# Allegro board NewTMR-March-2-2026.brd (continued)
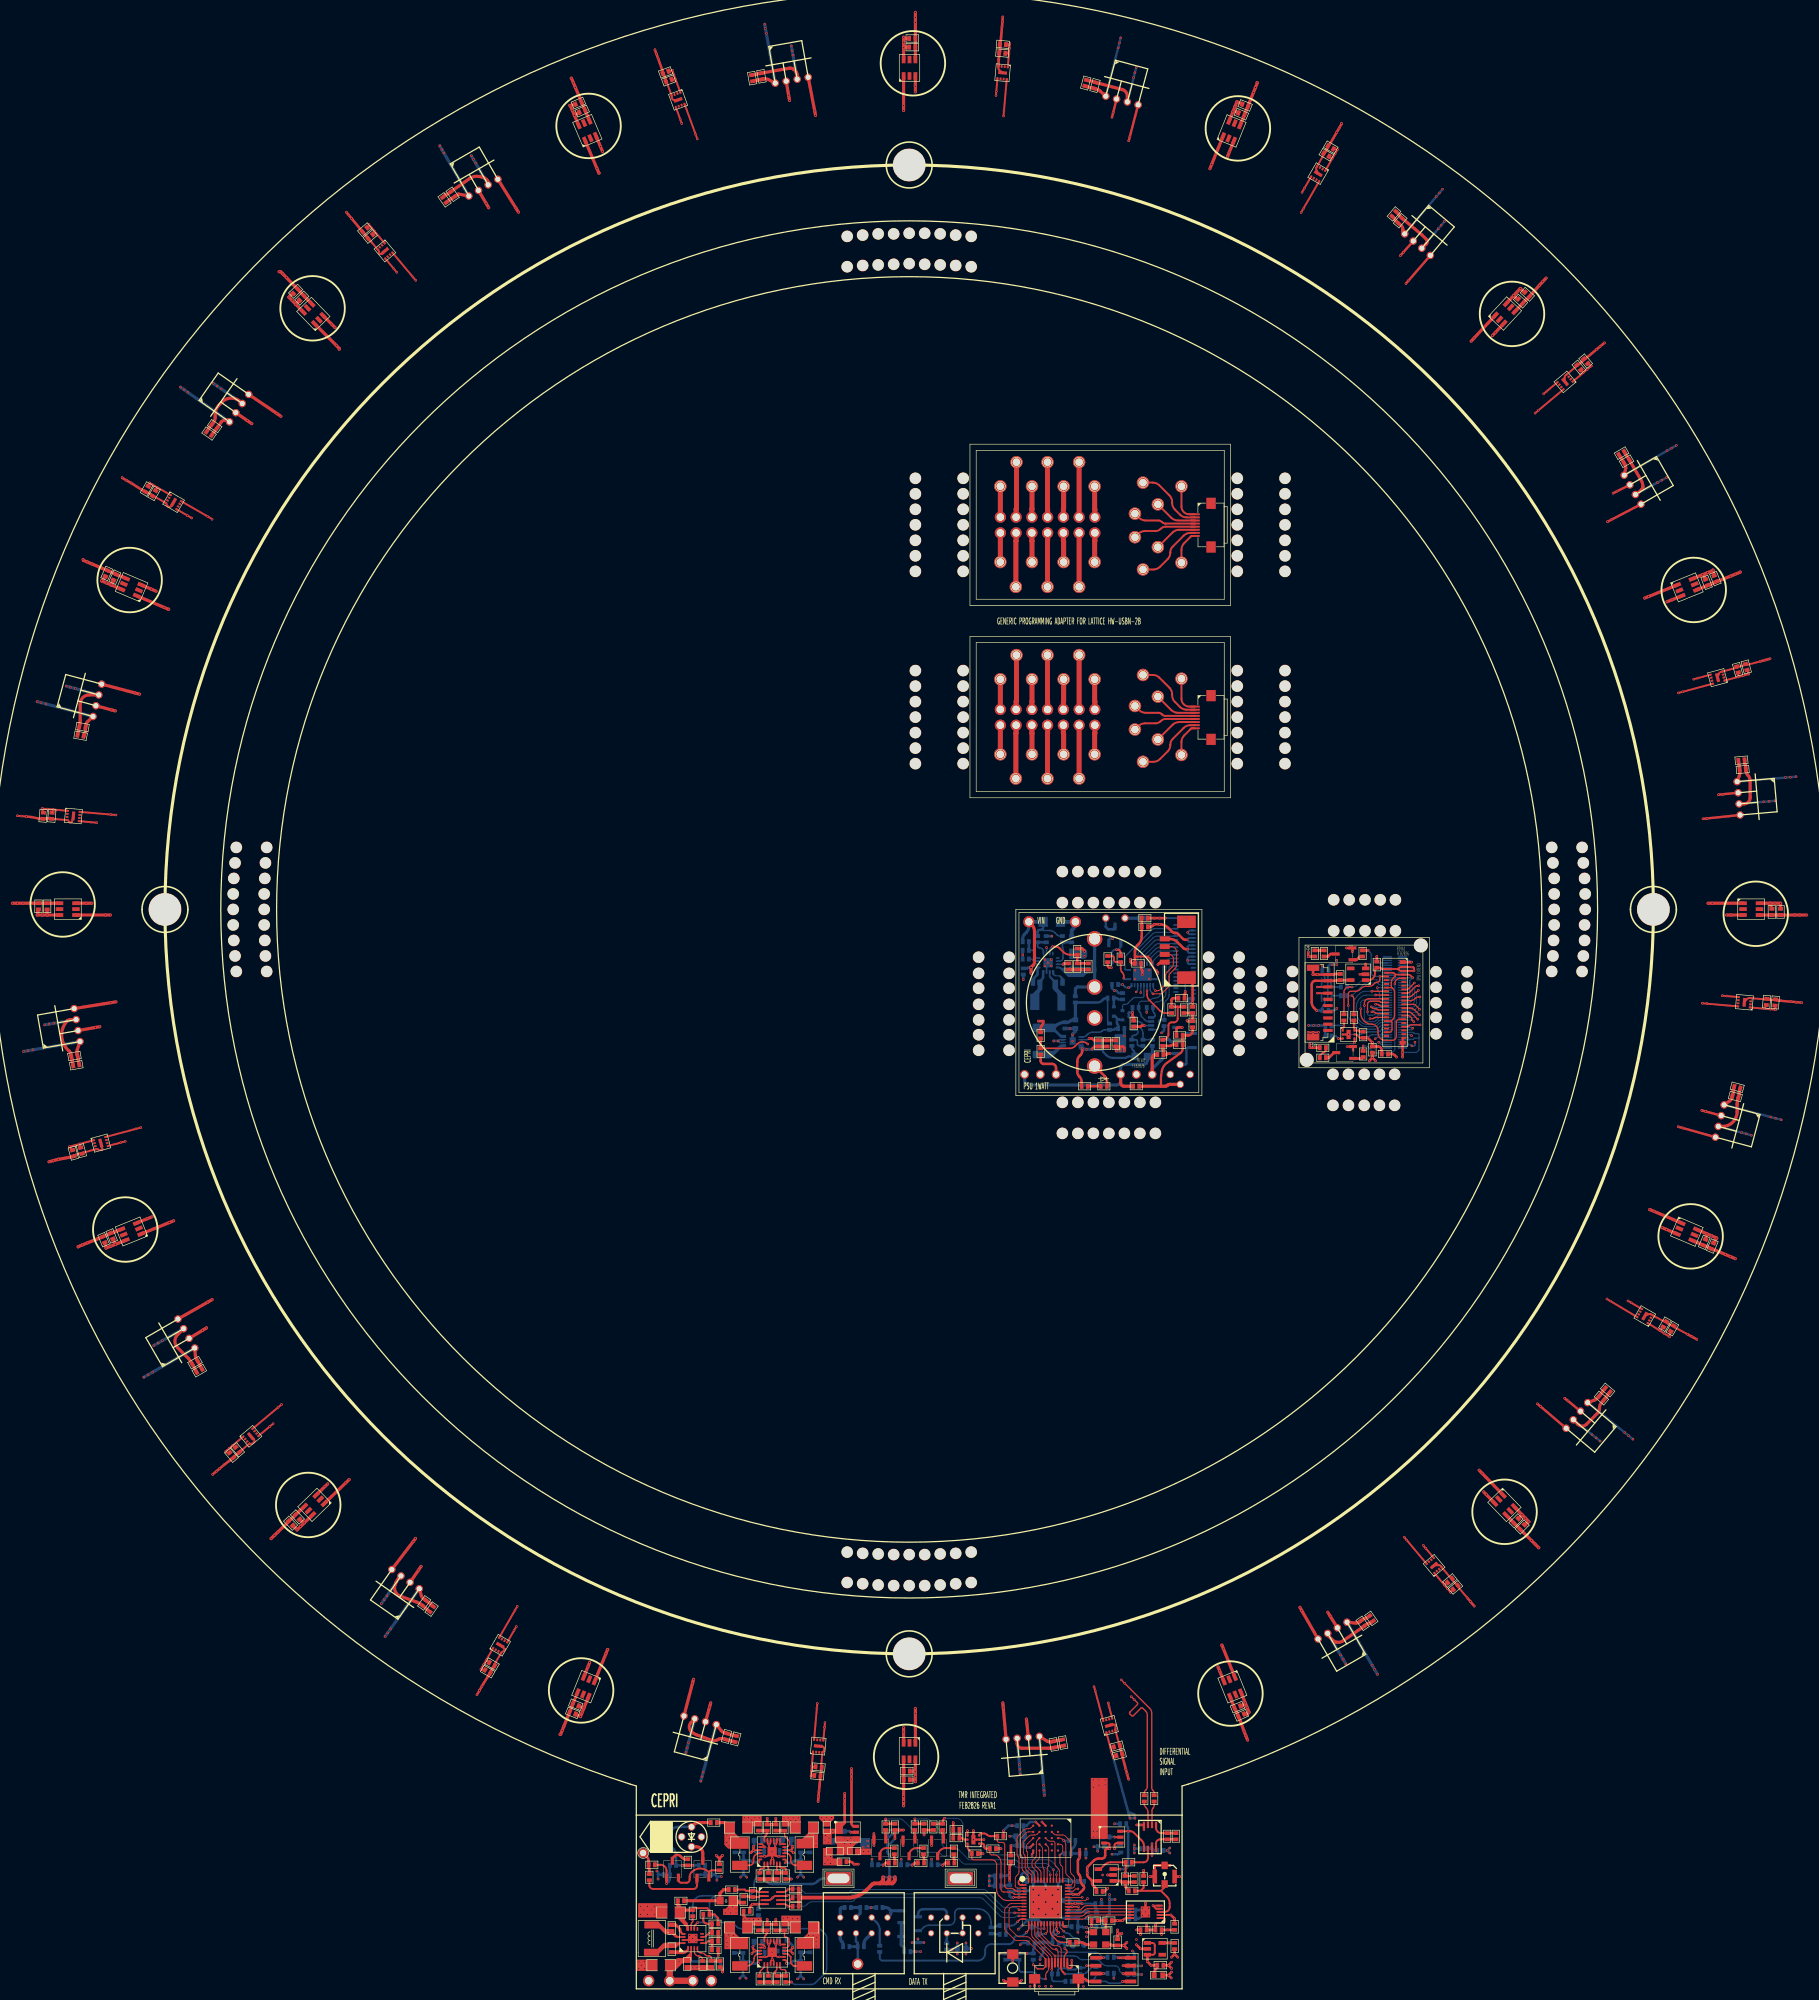
[diagram p0: board, top side]
## Routing (per net, layer and track width the routed paths; a pad name or vN(x,y) marks a point on that pad's centre or on a via; arc(x,y) is an arc through that point) (continued)
  GND w0.4: v1(172.37,17.15) v1(171.6,17.15)
  BOTTOM w0.38: U5.1 v1(174.09,311.7) v1(174.3,312.5) v1(174.5,313.3) ; v1(226.4,288.9) v1(225.89,288.3) v1(225.39,287.7) U10.1 ; U34.1 v1(255.78,88.47) v1(256.38,87.98) v1(257.1,87.4) ; v1(264.1,247.6) v1(263.32,247.16) v1(262.62,246.76) U16.1 ; U22.1 v1(281.7,194.06) v1(282.5,194.12) v1(283.4,194.2) ; U28.1 v1(279.31,139.34) v1(280.11,139.13) v1(281,138.9)
  BOTTOM w0.4: v1(182.03,21.1) v1(182.43,20.7) ; v1(182.03,21.1) v1(182.43,21.5) ; v1(182.03,21.1) C141.1 ; v1(170.8,20.97) C136.2 v1(170.17,21.7) ; v1(176.7,21.4) v1(176.7,22) ; v1(176.7,21.4) v1(176.7,20.7) ; v1(176.7,21.4) C137.1 ; v1(170.7,23.25) 170.75,23.3 C130.2 ; C128.2 v1(128.1,24.2) ; C127.2 v1(173.5,25.4) ; v1(173.1,20.5) 174.03,20.5 arc(174.19,20.53) 174.32,20.62 C140.2
  BOTTOM w0.5: v1(162.2,30) v1(162.13,30.8) v1(162.06,31.61) U46.1 ; v1(64.7,295.9) v1(65.03,295.32) v1(65.37,294.74) U9.1 ; v1(215.9,49.5) v1(215.42,50.31) v1(215.06,50.94) U40.1 ; U3.1 v1(117.37,314) v1(117.22,314.81) v1(117.1,315.5) ; U15.1 v1(24.08,256.17) v1(23.48,256.59) v1(22.9,257) ; U21.1 v1(1.21,205.92) v1(0.41,206.14) v1(-0.2,206.3) ; v1(17,97.4) v1(17.7,97.8) v1(18.4,98.2) U33.1 ; U39.1 v1(56.77,56.82) v1(56.32,56.19) v1(55.9,55.6) ; U27.1 v1(-0.91,150.16) v1(-1.71,150.02) v1(-2.4,149.9) ; v1(106.8,32.3) v1(106.99,33) v1(107.19,33.7) U44.1
  vias: v1(126.8,22.77) v1(126.9,23.5) v1(127.32,22.38) v1(127.5,23.1) v1(133,21.65) v1(133.07,20.93) v1(133.73,22.64) v1(133.76,21.83) v1(133.84,20.98) v1(170.1,32.47) v1(170.1,31.3) v1(171,32.47) v1(171,31.6) v1(172,32.47) v1(172,31.7) v1(177.05,6.75)
P1V2: length 46.9
  TOP w0.4: v1(156.6,16.3) v1(156.6,17.1) v1(156.6,17.9) 156.6,18.57 156.8,18.77 C103.1
  VCC w0.3: v1(156.6,16.3) v1(156.6,17.1) v1(156.6,17.9) 160.9,17.9 162.3,19.3 164.8,19.3 167.8,16.3 169.6,16.3 171.9,14 v1(172.7,14) v1(172.7,13.2) v1(173.6,13.2) ; v1(125.4,5.7) v1(125.4,6.4) 125.4,7 v1(125.5,7.1) 125.2,7.4 v1(124.9,7.4) v1(124.2,7.4)
  BOTTOM w0.4: 172,10.2 FB2.2 R68.2 ; 172,10.2 172,9.82 171.6,9.43 C164.1 ; 172,10.2 172.7,10.9 v1(172.7,13.2) ; v1(125.4,6.4) 124.61,6.4 124.4,6.19 C172.2 ; R72.2 C172.2 ; C172.2 v1(125.4,5.7) ; v1(172.7,13.2) v1(172.7,14) ; v1(172.7,13.2) v1(173.6,13.2) ; v1(156.6,17.1) 156.17,17.1 156.07,17 C149.1 ; v1(156.6,17.1) v1(156.6,17.9) ; v1(156.6,17.1) v1(156.6,16.3) FB1.2 155.97,15.5 155.87,15.4 C153.1
P1V8: length 234
  TOP w0.25: v2(158.5,16.4) 158.3,16.4 158.1,16.2 arc(157.99,15.94) 158.1,15.68 158.12,15.66 arc(158.24,15.58) 158.38,15.55 U57.1 ; U57.22 v1(164.16,8.54) 164.16,8.37 arc(164.18,8.25) 164.25,8.15 v1(164.5,7.9) ; v1(166.8,14.04) U57.33
  TOP w0.28: v1(166.6,3.4) v1(166.6,2.6) 166.6,2.3 166.5,2.2 arc(166.25,2.1) 166,2.2 165.9,2.3 J2.1
  TOP w0.3: C101.1 148.85,23.1 arc(148.98,23.07) 149.09,23 149.13,22.96 arc(149.24,22.89) 149.37,22.86 U53.5 ; v1(167.7,14.04) v1(166.8,14.04) ; U58.10 175.47,10.21 arc(175.23,10.16) 175.03,10.03 v1(174.8,9.8) ; U56.4 v1(115.9,12.45) ; R14.2 v1(155.6,24.3)
  TOP w0.4: R17.2 v1(155.2,21.4) ; R21.2 v1(152.3,20.6) ; U62.8 v1(174.87,3.8) v1(174.1,3.8) ; v1(167.9,21.3) v1(167.9,19.9) 167.73,19.73 arc(167.63,19.59) 167.6,19.42 167.6,17.65 arc(167.65,17.42) 167.78,17.22 167.82,17.18 arc(167.95,16.98) 168,16.75 168,16.42 arc(168.1,15.94) 168.37,15.53 168.5,15.4 arc(168.62,15.12) 168.5,14.84 v1(167.7,14.04) ; v1(175,5.8) v1(175.5,5.3) ; v1(175,5.8) v1(175.5,6.3) ; v1(175,5.8) C119.1 173.1,5.8 172.96,5.94 Y1.4 ; C109.2 114.7,11.72 arc(114.75,11.98) 114.9,12.2 v1(115.15,12.45) v1(115.9,12.45) ; v1(174.8,9.8) v1(174,9.8) R41.2 ; R8.2 R7.2 v1(142.8,23.6) ; v1(138.1,23) v1(138.1,23.77) R5.2 v1(138.83,24.4) v1(139.5,24.4) ; C101.1 v1(148.5,23.8) C100.1
  TOP w0.5: R32.2 v1(122.6,14.2) R35.2 v1(122.6,12.8) R39.2
  TOP w0.6: 135.7,15.8 134.81,15.8 arc(134.62,15.76) 134.45,15.65 133.53,14.73 arc(132.17,13.82) 130.56,13.5 R35.2 ; 135.7,15.8 136.2,16.3 v1(136.2,16.8) ; 135.7,15.8 136.7,15.8 ; v1(137.2,16.8) 137.2,16.3 136.7,15.8 ; 136.7,15.8 137.7,15.8 137.93,16.03 arc(138.06,16.22) 138.1,16.44 v1(138.1,16.8)
  VCC w0.16: v1(122.6,14.2) v1(122.6,12.8) 122.6,12.43 arc(122.54,12.13) 122.37,11.87 121.93,11.43 arc(121.67,11.26) 121.37,11.2 119.63,11.2 arc(119.42,11.24) 119.24,11.36 119.21,11.39 arc(119.03,11.51) 118.82,11.55 115.15,11.55 ; v1(177.9,1.1) v1(177.9,2.5) 176.9,2.5 175.6,3.8 v1(174.87,3.8) ; v1(167.9,19.9) v1(167.9,21.3) 167.49,21.3 167.39,21.4 164.13,21.4 arc(163.83,21.46) 163.57,21.63 162.43,22.77 arc(162.17,22.94) 161.87,23 159.4,23 arc(158.83,22.77) 158.6,22.2 158.6,21 arc(158.37,20.43) 157.8,20.2 156.73,20.2 arc(156.43,20.26) 156.17,20.43 v1(155.2,21.4)
  VCC w0.3: 149.3,21 151.65,21 arc(151.88,20.95) 152.08,20.82 v1(152.3,20.6) 153.86,20.6 arc(154.36,20.7) 154.78,20.98 v1(155.2,21.4) 155.2,23.65 arc(155.25,23.88) 155.38,24.08 v1(155.6,24.3) 156.21,24.91 arc(156.42,25.05) 156.67,25.1 v1(157,25.1) ; 149.3,21 148.12,21 arc(147.55,21.11) 147.06,21.44 145.34,23.16 arc(144.85,23.49) 144.28,23.6 v1(142.8,23.6) 142.43,23.23 arc(142.06,22.99) 141.64,22.9 139.59,22.9 arc(139.02,23.01) 138.53,23.34 v1(138.1,23.77) ; 149.3,21 149.3,21.53 arc(149.21,21.96) 148.97,22.33 148.83,22.47 arc(148.59,22.84) 148.5,23.27 v1(148.5,23.8) ; 165.7,10.1 165.1,10.1 arc(164.43,9.82) 164.16,9.16 v1(164.16,8.54) 164,8.38 164.18,8.2 164.2,8.2 v1(164.5,7.9) ; 165.7,10.1 168.01,10.1 arc(168.37,10.17) 168.68,10.38 168.72,10.42 arc(169.03,10.63) 169.39,10.7 172.49,10.7 arc(173.05,10.59) 173.53,10.27 v1(174,9.8) v1(174.8,9.8) ; 165.7,10.1 165.7,12.31 arc(165.81,12.89) 166.14,13.38 v1(166.8,14.04) ; v1(167.7,14.04) v1(166.8,14.04) ; v1(166.8,14.04) 166.43,14.41 arc(166.19,14.77) 166.1,15.2 166.1,15.45 arc(165.91,15.91) 165.45,16.1 161.48,16.1 arc(161.31,16.13) 161.17,16.23 161.13,16.27 arc(160.99,16.37) 160.82,16.4 v2(158.5,16.4) ; v1(115.9,12.45) v1(115.15,12.45) 115.15,11.55 114.9,11.3 arc(114.68,11.15) 114.41,11.1 114.17,11.1 arc(113.74,11.01) 113.37,10.77 112.94,10.34 arc(112.61,9.85) 112.5,9.28 112.5,8.05 arc(112.45,7.82) 112.32,7.62 v1(112.1,7.4) 111.4,7.4 v1(111.3,7.5) 111.3,7.4 v1(110.9,7) 110.9,6.4 v1(111,6.3) v1(111,5.6) ; 174.1,5.5 v1(174.1,3.8) ; 174.1,5.5 174,5.6 169.42,5.6 arc(168.85,5.49) 168.36,5.16 v1(166.6,3.4) v1(166.6,2.6) ; 174.1,5.5 174.3,5.7 174.42,5.7 174.52,5.8 v1(175,5.8) 175.02,5.82 175.5,5.82 ; v1(174.1,3.8) v1(174.87,3.8) ; v1(174.1,3.8) 174.1,3.5 173.73,3.13 arc(173.49,2.76) 173.4,2.34 v1(173.4,0.5) ; 175.5,5.82 v1(175.5,5.3) ; 175.5,5.82 v1(175.5,6.3)
  BOTTOM w0.3: C150.1 168.6,15.49 arc(168.5,14.98) 168.21,14.55 v1(167.7,14.04)
  BOTTOM w0.4: v1(164.5,7.9) 164.27,7.67 arc(164.08,7.54) 163.86,7.5 163.5,7.5 ; C144.1 R60.2 166.5,20.94 arc(166.55,21.18) 166.68,21.38 166.95,21.65 arc(167.13,21.93) 167.2,22.26 R57.2 ; C144.1 v1(167.9,19.9) ; C144.1 v1(167.9,21.3) ; C158.2 C163.1 175.27,10.1 arc(175.11,10.07) 174.98,9.98 v1(174.8,9.8) ; R76.1 v1(159.4,4.5) R75.1 160.4,5.2 160.6,5.4 C170.1 161.3,6.2 161.4,6.3 C171.1 162.77,6.3 162.87,6.2 C169.1 163.5,7.5 ; R78.2 174,3.91 v1(174.1,3.8) v1(174.87,3.8) 175.59,3.8 C177.1 ; 136.9,21.8 136.9,20.87 arc(136.93,20.71) 137.02,20.58 137.08,20.52 arc(137.17,20.39) 137.2,20.23 v1(137.2,16.8) ; 136.9,21.8 136.9,23 ; 136.9,21.8 v1(138.1,23) ; v1(137.2,16.8) v1(136.2,16.8) ; v1(137.2,16.8) v1(138.1,16.8) ; v1(164.16,8.54) 163.5,7.88 163.5,7.5 ; C173.2 112.2,6.1 112,6.3 v1(111,6.3) ; C173.2 R73.2 ; C173.2 v1(111,5.6) ; C152.1 166.2,14.88 arc(166.24,14.65) 166.37,14.46 v1(166.8,14.04) v1(167.7,14.04) ; R86.2 v1(173.4,0.5) ; v1(139.5,24.4) v1(138.83,24.4) 137.3,24.4 arc(137.02,24.28) 136.9,24 136.9,23 ; v1(177.9,2.5) R83.2 R88.2 v1(177.9,1.1) ; 136.9,23 137.55,23.65 arc(137.69,23.74) 137.85,23.77 v1(138.1,23.77) ; C159.1 116.1,12.25 v1(115.9,12.45) ; v1(155.6,24.3) 156.4,25.1 v1(157,25.1) L7.2 ; 158.91,17.5 C148.1 C151.1 158.97,16.1 arc(158.81,16.13) 158.68,16.22 v2(158.5,16.4) 158.5,17.09 arc(158.62,17.38) 158.91,17.5
P1V8_CAM: length 42.8
  TOP w0.4: R130.2 179.26,170 arc(179.48,170.04) 179.67,170.17 v1(179.9,170.4) v1(180.79,170.4) arc(181.54,170.25) 182.17,169.83 182.82,169.18 arc(183.02,169.05) 183.26,169 183.34,169 arc(183.58,168.95) 183.78,168.82 184.55,168.05 arc(184.72,167.94) 184.91,167.9 v1(185.2,167.9) ; v1(176.4,156.2) 176.4,155.59 176.6,155.39 C193.2
  VCC w0.4: v1(181.1,152.9) 181.1,155.4 180.3,156.2 ; 180.3,156.2 v1(178.7,156.2) v1(176.4,156.2) ; 180.3,156.2 180.3,157.8 183.5,161 183.5,167.9 ; v1(179.9,170.4) v1(180.79,170.4) 181,170.4 183.5,167.9 ; v1(185.2,167.9) 183.5,167.9
  BOTTOM w0.3: J3.31 185.5,168.2 v1(185.2,167.9) 185.5,167.6 J3.29
  BOTTOM w0.38: v1(181.1,152.9) 181.5,153.3 R94.2
  BOTTOM w0.4: R90.2 v1(178.7,156.2) ; U65.4 175.93,155.38 175.8,155.51 175.8,156.1 175.9,156.2 v1(176.4,156.2) R93.2
P1V8_IO1: length 12.7
  BOTTOM w0.2: J3.36 179.79,169.7 179.44,169.44 175.46,165.46 arc(175.27,165.17) 175.2,164.83 175.2,163.16 175.31,163.05 U66.1
P1V8_IO2: length 9.8
  BOTTOM w0.18: J3.34 180.27,169.1 arc(179.93,169.03) 179.64,168.84 177.01,166.21 arc(176.82,165.92) 176.75,165.58 U66.3
P1V8_IO3: length 9
  BOTTOM w0.18: U66.4 177.25,165.38 arc(177.32,165.72) 177.51,166.01 179.74,168.24 arc(180.03,168.43) 180.37,168.5 J3.32
P1V8_IO4: length 8.1
  BOTTOM w0.18: U66.5 177.75,165.18 arc(177.82,165.52) 178.01,165.81 179.84,167.64 arc(180.13,167.83) 180.47,167.9 J3.30
P1V8_IO5: length 7.2
  BOTTOM w0.18: U66.6 178.25,164.88 arc(178.32,165.22) 178.51,165.51 180.04,167.04 arc(180.33,167.23) 180.67,167.3 J3.28
P1V8_IO6: length 6.3
  BOTTOM w0.18: J3.26 180.77,166.7 arc(180.43,166.63) 180.14,166.44 179.01,165.31 arc(178.82,165.02) 178.75,164.68 U66.7
P1V8_IO7: length 5.4
  BOTTOM w0.18: U66.8 179.25,164.48 arc(179.32,164.82) 179.51,165.11 180.24,165.84 arc(180.53,166.03) 180.87,166.1 J3.24
P1V8_IO8: length 4.5
  BOTTOM w0.18: U66.9 179.75,164.29 arc(179.8,164.53) 179.93,164.73 180.44,165.24 arc(180.73,165.43) 181.07,165.5 J3.22
P2V5A: length 10.5
  TOP w0.3: v1(182.59,10.71) U58.2
  TOP w0.4: U60.5 v1(182.3,6.2) C120.2 ; v1(182.59,10.71) v1(183.2,10.1) C112.1
  VCC w0.5: v1(182.3,6.2) 182.79,6.69 arc(183.09,7.14) 183.2,7.69 v1(183.2,10.1) v1(182.59,10.71)
P2V8: length 57.2
  VCC w0.3: v1(124.4,23.6) 124.47,23.67 v1(125.37,23.67) 125.37,23.53 v1(125,23.16) 125,22.97 v1(125.37,22.6) v1(125.37,21.9) 125.87,21.4 128.5,21.4 128.8,21.1 128.8,20.3 129.2,19.9 132.7,19.9 133.85,18.75 134.85,18.75 137.1,21 144.6,21 146.3,19.3 151.2,19.3 152.1,18.4 152.1,11.6 153.6,11.6 156.9,8.3 157.1,8.3 157.2,8.4 v1(158,8.4) v1(158.6,9)
  BOTTOM w0.4: C138.2 R58.2 ; C138.2 125.27,21.8 v1(125.37,21.9) ; C138.2 124.4,22.3 124.7,22.6 v1(125.37,22.6) ; D6.2 161.7,9.45 161.25,9.9 159.5,9.9 v1(158.6,9) v1(158,8.4)
P3V3: length 50.7
  TOP w0.4: D3.2 146.2,19.1 v1(145.8,18.7) ; D1.2 136.6,19.1 v1(136.2,18.7) ; D2.2 141.3,19.1 v1(140.9,18.7)
  TOP w0.5: C97.1 110.7,25.6 R3.1
  VCC w0.16: v1(112.1,23.4) 111.7,23 v1(111.4,23) ; v1(111.4,23) 111,22.6 v1(111,22.4) 111,22.23 v1(111.4,21.83) ; v1(111.4,23) 111.4,23.2 v1(111,23.6)
  VCC w0.3: 127.3,19.63 v1(126.83,20.1) 125.2,20.1 121.9,23.4 v1(112.1,23.4) ; 127.3,19.63 127.3,19.68 v1(127.72,20.1) ; 127.3,19.63 v1(127.3,19.6) ; v1(127.3,19.6) 127.7,19.2 v1(127.7,19.01) ; v1(127.3,19.6) 126.83,19.13 v1(126.83,19.01)
  VCC w0.4: v1(136.2,18.7) v1(140.9,18.7) v1(145.8,18.7)
  BOTTOM w0.4: C146.1 140.8,18.8 v1(140.9,18.7) ; C147.1 136.1,18.8 v1(136.2,18.7) ; v1(145.8,18.7) 145.7,18.8 C145.1 ; C139.2 112.3,22.1 112,22.4 v1(111,22.4) ; C139.2 111.43,21.8 v1(111.4,21.83) ; C139.2 R59.2 ; C179.1 147.56,5.3 147.41,5.15 v1(147.3,5.15) R79.1 ; C179.1 v1(148.15,4.4) ; C179.1 v1(148.15,6.2) ; v1(142.25,4.8) v1(141.5,4.8) R67.2
  BOTTOM w0.5: L8.1 v1(134.25,11.9) C157.2
P3V3_CAM: length 26.9
  TOP w0.4: J6.1 181.14,164.3 arc(180.92,164.26) 180.73,164.13 v1(180.5,163.9) ; v1(181.7,171.4) v1(180.8,171.4) v1(179.9,171.4) R131.2
  VCC w0.127: 179.9,161.1 179.8,161
  VCC w0.2: v1(175.79,160.2) 177.14,160.2 arc(177.38,160.25) 177.59,160.39 177.8,160.6
  VCC w0.25: 179.8,161 179.58,160.78 arc(179.38,160.65) 179.14,160.6 177.8,160.6 ; 179.9,161.1 179.9,161.74 arc(179.85,161.98) 179.72,162.18 179.7,162.2 arc(179.6,162.45) 179.7,162.7 180.38,163.38 arc(180.47,163.51) 180.5,163.68 v1(180.5,163.9)
  VCC w0.4: v1(179.9,171.4) v1(180.8,171.4) v1(181.7,171.4) ; v1(174.8,160.7) 175.16,160.34 arc(175.32,160.24) 175.5,160.2 v1(175.79,160.2)
  BOTTOM w0.3: 184.7,170.6 J3.39 ; 184.7,170.6 184.28,171.02 arc(183.86,171.3) 183.36,171.4 v1(181.7,171.4) ; 184.7,170.6 185.14,170.16 arc(185.32,170.04) 185.52,170 J3.37 ; U66.19 176.25,160.5 175.95,160.2 v1(175.79,160.2) 175.51,160.2 arc(175.32,160.24) 175.15,160.35 v1(174.8,160.7) C195.1
  BOTTOM w0.4: R127.2 v1(179.9,171.4) v1(180.8,171.4) v1(181.7,171.4)
P3V3_IO1: length 6.4
  TOP w0.25: R128.2 174.5,163.23 arc(174.56,162.93) 174.74,162.66 174.77,162.63 arc(174.94,162.37) 175,162.07 v1(175,161.7)
  TOP w0.3: R128.2 173.82,164.3 arc(173.52,164.42) 173.4,164.72 173.4,165.1 173.2,165.3 C194.1
  BOTTOM w0.3: v1(175,161.7) 175.15,161.55 U66.20
P3V3_IO3: length 1.2
  BOTTOM w0.2: U66.17 177.25,159.91 arc(177.22,159.76) 177.13,159.63 v1(177,159.5)
P3V3_IO4: length 1.2
  BOTTOM w0.2: v1(177.75,159.4) U66.16
P3V3_IO6: length 6.9
  TOP w0.25: v1(178.75,159.7) 178.75,159.07 arc(178.85,158.59) 179.12,158.18 180.83,156.47 arc(181.24,156.2) 181.72,156.1 R120.1
  BOTTOM w0.2: U66.14 v1(178.75,159.7)
P3V3_IO7: length 13
  TOP w0.16: v1(179.7,159.2) 180.77,159.2 arc(181.07,159.26) 181.33,159.43 182.07,160.17 arc(182.24,160.43) 182.3,160.73 182.3,161.97 arc(182.36,162.27) 182.53,162.53 183.27,163.27 arc(183.44,163.53) 183.5,163.83 183.5,166 arc(183.27,166.57) 182.7,166.8 J6.3
  BOTTOM w0.2: v1(179.7,159.2) 179.44,159.46 arc(179.3,159.67) 179.25,159.91 U66.13
P3V3_IO8: length 9.4
  TOP w0.16: J6.2 182.32,165.55 arc(182.8,165.35) 183,164.87 183,164.03 arc(182.94,163.73) 182.77,163.47 181.93,162.63 arc(181.76,162.37) 181.7,162.07 181.7,161.03 arc(181.64,160.73) 181.47,160.47 180.9,159.9 arc(180.68,159.75) 180.42,159.7 v1(180.1,159.7)
  BOTTOM w0.2: v1(180.1,159.7) 179.92,159.88 arc(179.79,160.07) 179.75,160.28 U66.12
P3V3A: length 99.2
  TOP w0.3: U50.4 173.91,22.3 arc(173.77,22.27) 173.65,22.19 173.61,22.15 arc(173.53,22.03) 173.5,21.89 v1(173.5,21.4) ; v1(179.55,20.3) v1(179.55,22.19) ; U50.3 172.54,22.3 172.7,22.14 v1(172.7,21.4) ; U60.3 179.7,4.3 arc(179.91,4.39) 180,4.6 180,5.83 arc(179.89,6.09) 179.63,6.2 U60.1
  TOP w0.4: 169.9,16.2 169.25,16.85 arc(169.14,17.02) 169.1,17.21 v1(169.1,17.5) v1(169.1,18.4) 170.17,19.47 arc(170.53,19.72) 170.96,19.8 171.5,19.8 arc(171.85,19.95) 172,20.3 172,21.2 172.2,21.4 v1(172.7,21.4) ; C126.2 179.9,1.39 arc(179.96,1.68) 180.12,1.92 180.4,2.2 C125.2 v1(179.4,2.6) v1(178.8,3.2) U60.3
  TOP w0.42: C107.1 170.6,14.9 170.08,15.42 arc(169.95,15.62) 169.9,15.86 169.9,16.2 U55.5
  VCC w0.16: v1(130.96,22.24) 131.34,22.24 v1(131.6,22.5)
  VCC w0.3: v1(130.5,22.7) 130.1,23.1 v1(130.03,23.1) ; v1(130.5,22.7) v1(130,22.2) ; v1(130.5,22.7) 130.9,23.1 v1(130.97,23.1) 131.37,23.1 arc(131.67,23.16) 131.94,23.34 133.16,24.56 arc(134.09,25.18) 135.19,25.4 144.35,25.4 arc(145.04,25.26) 145.63,24.87 145.67,24.83 arc(145.81,24.73) 145.98,24.7 147.58,24.7 arc(148.15,24.81) 148.64,25.14 149.16,25.66 arc(149.65,25.99) 150.22,26.1 157.38,26.1 arc(157.95,25.99) 158.44,25.66 159.16,24.94 arc(159.65,24.61) 160.22,24.5 162.88,24.5 arc(163.45,24.61) 163.94,24.94 164.06,25.06 arc(164.55,25.39) 165.12,25.5 171.1,25.5 arc(171.81,25.21) 172.1,24.5 172.1,22.39 arc(172.17,22.03) 172.38,21.72 v1(172.7,21.4) v1(173.5,21.4) 173.78,21.4 arc(173.98,21.44) 174.16,21.56 175.26,22.66 arc(175.75,22.99) 176.32,23.1 178.02,23.1 arc(178.59,22.99) 179.07,22.66 v1(179.55,22.19) v1(179.55,20.3) ; v1(130.5,22.7) v1(130.96,22.24) ; v1(178.8,3.2) v1(179.4,2.6)
  VCC w0.4: v1(178.8,3.2) 179.17,3.57 arc(179.41,3.94) 179.5,4.37 179.5,7.1 177.2,9.4
  BOTTOM w0.4: C136.1 172.22,21.7 arc(172.39,21.67) 172.53,21.57 v1(172.7,21.4) ; 179.19,21.4 179.55,21.76 v1(179.55,22.19) ; 179.19,21.4 179.61,21.4 179.91,21.1 ; 179.19,21.4 C137.2 ; 179.91,21.1 C141.2 ; 179.91,21.1 179.69,20.88 arc(179.59,20.73) 179.55,20.55 v1(179.55,20.3) ; C140.1 174.15,21.8 arc(173.92,21.75) 173.72,21.62 v1(173.5,21.4)
P5V0: length 136.3
  TOP w0.22: U61.21 v1(115.5,4.95)
  TOP w0.25: U61.10 v1(121.2,4.95) ; U54.10 v1(121.3,21.15) ; U54.21 v1(115.3,21.15)
  TOP w0.35: v1(121.6,5.5) 121.6,5.35 v1(121.2,4.95) v1(121.65,4.5) ; v1(121.6,21.8) 121.6,21.6 arc(121.57,21.46) 121.49,21.34 v1(121.3,21.15) v1(121.73,20.73) ; v1(115.03,4.48) v1(115.5,4.95) 115.31,5.14 arc(115.23,5.26) 115.2,5.4 v1(115.2,5.6)
  TOP w0.4: v1(118.9,10) R45.1 118.31,9.21 118.3,9.2 R44.2 v1(117.5,10) ; v1(115.3,21.8) v1(115.3,21.15) v1(114.88,20.73) ; v1(118.9,26.3) R11.1 118.31,25.3 118.3,25.29 v1(118.2,25.29) R10.2 v1(117.5,26.3)
  TOP w0.5: R37.2 112.66,13 112.96,12.7 R36.2 ; R26.2 v1(117,16.5) R27.2 v1(118.4,16.5) R28.2 ; R53.2 v1(117,-0.1) R54.2 v1(118.4,-0.1) R55.2
  VCC w0.3: 114.88,18.23 v1(114.88,20.73) v1(115.3,21.15) v1(115.3,21.8) ; 114.88,18.23 109.28,18.23 107.9,19.6 107.9,21.1 109,22.2 109,24.4 109.9,25.3 113,25.3 113.9,24.4 117.31,24.4 v1(118.2,25.29) 117.84,25.65 117.84,25.96 v1(117.5,26.3) v1(118.9,26.3) ; 114.88,18.23 116.5,16.6 ; v1(111.6,11.03) v1(112.47,11.03) v1(112.47,11.7) 112.17,12 v1(111.9,12) 116.5,16.6 ; v1(111.6,11.03) 111.23,11.4 111.23,11.46 ; v1(111.6,11.03) v1(110.8,11.03) ; 111.23,11.46 v1(110.8,11.03) ; 111.23,11.46 v1(111.23,11.67) ; v1(110.8,11.03) 109.77,10 108.9,10 108.6,9.7 108.6,6 109.3,6 110.83,4.48 v1(115.03,4.48) v1(115.5,4.95) 115.2,5.25 v1(115.2,5.6) 115.2,6.5 116.6,7.9 119.4,7.9 119.6,8.1 ; 119.6,8.1 120.8,8.1 121.6,7.3 v1(121.6,5.5) 121.6,5.35 v1(121.2,4.95) v1(121.65,4.5) 121.65,3 121.9,2.75 121.9,2.4 119.4,-0.1 v1(118.4,-0.1) v1(117,-0.1) ; 119.6,8.1 118.9,8.8 v1(118.9,10) v1(117.5,10) ; 116.5,16.6 116.9,16.6 v1(117,16.5) v1(118.4,16.5) 119.6,16.5 121.3,18.2 122.1,18.2 122.1,20.35 v1(121.73,20.73) v1(121.3,21.15) 121.3,21.5 v1(121.6,21.8)
  BOTTOM w0.4: v1(121.6,5.5) 121.6,5.8 C167.2 ; v1(121.2,4.95) 120.81,4.95 120.76,4.9 C174.2 ; C168.2 115.4,5.8 v1(115.2,5.6) ; C175.2 115.75,4.7 v1(115.5,4.95) ; C143.2 115.55,20.9 v1(115.3,21.15) ; v1(121.6,21.8) 121.4,22 C131.2 ; v1(121.3,21.15) 121.25,21.1 C142.2 ; 119.2,15.7 118.33,15.7 arc(117.84,15.8) 117.43,16.07 v1(117,16.5) ; 119.2,15.7 v1(118.4,16.5) ; 119.2,15.7 124.6,15.7 arc(125.15,15.81) 125.62,16.12 125.68,16.18 arc(126.15,16.49) 126.7,16.6 TP2.1 ; v1(115.3,21.8) 115.4,21.9 C134.2
P5V0_PSU: length 18.1
  TOP w0.4: v1(168.29,150.35) 168.29,149.95 arc(168.23,149.63) 168.05,149.36 167.87,149.18 arc(167.6,148.77) 167.5,148.28 167.5,146.67 arc(167.59,146.24) 167.83,145.87 167.87,145.83 arc(168.11,145.46) 168.2,145.04 R105.2 ; R102.2 C189.1 170.3,150.7 v1(169.87,150.27)
  BOTTOM w0.127: C190.1 171,151.05
  BOTTOM w0.35: R95.2 176.3,150.52 arc(176.34,150.32) 176.45,150.15 176.58,150.02 arc(176.74,149.78) 176.8,149.49 R103.1 175.78,149.1 arc(175.61,149.07) 175.47,148.97 arc(175.36,148.9) 175.23,148.87 173.25,148.87 arc(172.68,148.99) 172.19,149.31 171.77,149.73 arc(171.64,149.92) 171.6,150.14 171.6,150.45 171,151.05
  vias: v1(168.99,150.25)
P5V0_TO_CAMERA_BRD: length 30.9
  TOP w0.5: R116.1 175,144.3 arc(174.65,144.45) 174.5,144.8 J5.1
  BOTTOM w0.5: R112.2 179.6,149.6 179.1,149.1 R103.2 178.8,148.43 arc(178.76,148.22) 178.64,148.04 178.56,147.96 arc(178.38,147.84) 178.17,147.8 175,147.8 arc(174.65,147.65) 174.5,147.3 J5.1 174.5,145.18 arc(174.3,144.7) 173.82,144.5 159.8,144.5 arc(159.23,144.73) 159,145.3 J4.1
P5V0_WEAK: length 3.7
  BOTTOM w0.3: J3.19 v1(185.3,164.6) ; v1(185.3,164.6) 185.3,164.99 185.51,165.2 J3.21 ; v1(185.3,164.6) 185.3,164.2 185.5,164 J3.17
VIN: length 18.3
  TOP w0.4: R50.1 v1(109.6,4.2) ; R52.1 110,2.31 110.18,2.13 arc(110.27,1.99) 110.3,1.83 v1(110.3,1.5)
  TOP w1: C124.1 TP5.1 TP6.1
  BOTTOM w0.4: 109.6,3.2 v1(109.6,4.2) R50.1 ; 109.6,3.2 109.98,2.82 arc(110.22,2.47) 110.3,2.05 v1(110.3,1.5) ; 109.6,3.2 v1(103.3,3.2)
VIN_3495290: length 24.7
  TOP w0.5: v1(160.05,162.5) v2(160.05,163.45) 160.36,163.76 arc(160.54,164.03) 160.6,164.34 160.6,169.31 arc(160.49,169.85) 160.19,170.31 TP13.1
  BOTTOM w0.25: 161.86,169.61 162.06,169.4 163.03,169.4 arc(163.51,169.3) 163.91,169.03 164.24,168.71 arc(164.47,168.56) 164.75,168.5 R96.1 ; U63.2 160.88,163.95 arc(160.57,163.89) 160.32,163.72 v2(160.05,163.45)
  BOTTOM w0.38: R97.1 161.1,169.18 arc(161.12,169.29) 161.18,169.38 161.22,169.42 arc(161.31,169.48) 161.42,169.5 161.6,169.5 arc(161.74,169.53) 161.86,169.61 161.89,169.64 arc(161.97,169.76) 162,169.9 C183.1
  BOTTOM w0.4: C180.1 159.41,163.3 159.56,163.45 v2(160.05,163.45) v1(160.05,162.5)
  BOTTOM w0.5: TP13.1 159.7,170.11 arc(159.59,169.55) 159.27,169.07 158.99,168.79 arc(158.78,168.47) 158.7,168.09 R98.1
  BOTTOM w0.6: C183.1 TP13.1
0: length 95
  TOP w0.2: 218.1,154.8 218.19,154.71 arc(218.23,154.64) 218.25,154.56 218.25,153.43 arc(218.13,153.12) 217.82,153 J12.4 ; 218.1,154.8 218.39,155.09 arc(218.58,155.38) 218.65,155.72 218.65,159.54 arc(218.6,159.78) 218.46,159.99 218.31,160.14 arc(218.24,160.18) 218.17,160.2 218.15,160.2 ; 218.1,154.8 J12.10 ; v1(222.8,154.19) 221.33,154.19 arc(221.15,154.15) 221,154.05 220.99,154.04 arc(220.84,153.94) 220.66,153.9 J12.7 ; 218.8,162.3 218.8,162.1 218.44,161.74 arc(218.23,161.42) 218.15,161.04 218.15,160.2 ; 218.15,160.2 J12.28
  TOP w0.25: J12.36 218.31,162.6 arc(218.49,162.56) 218.64,162.46 218.8,162.3 J12.35 220.77,162.3 arc(221.07,162.24) 221.34,162.06 v1(221.6,161.8)
  TOP w0.3: J13.11 v1(205.52,152.98) ; v1(205.52,152.98) v1(206.4,152.98) ; v1(205.52,152.98) v1(204.7,152.98) ; U67.2 210.85,152.64 210.86,152.65 v1(211.25,152.65) ; U67.4 v1(212.2,151.3) ; v1(211,150.69) Q12.2 v1(211.97,150.11) ; J12.41 219.96,151.9 J12.1
  TOP w0.4: v1(210.9,166.59) Q11.2 v1(211.87,166.01) ; J12.40 v1(221.4,164.3) ; J12.41 v1(219.96,149.75) v1(219.96,149) ; v1(219,149) 218.72,149.28 arc(218.48,149.44) 218.19,149.5 C198.2 ; C199.2 209.01,162.4 208.91,162.3 J13.10 v1(206.2,162.3) v1(205.5,162.3) 205.52,162.32 J13.12 ; v1(215.1,148.9) v1(214.6,148.4) ; v1(215.1,148.9) C197.2 ; v1(215.1,148.9) v1(215.6,148.4) ; C200.2 v1(215.8,165.2) ; U68.3 v1(214,164) ; U68.2 v1(213.07,162.35)
  BOTTOM w0.18: 222.6,152.05 222.6,152.65 arc(222.56,152.74) 222.47,152.78 222,152.78 arc(221.88,152.8) 221.78,152.87 221.75,152.9 arc(221.65,152.97) 221.53,152.99 J11.12 ; 222.6,152.05 222.6,150.15 222.2,149.75 v1(219.96,149.75) ; 222.6,152.05 221.85,152.05 221.78,151.98 221.76,151.98 221.64,151.86 221.26,151.86 221.26,151.86 arc(221.18,151.81) 221.09,151.79 220.9,151.79 ; J11.8 220.81,152.19 220.9,152.1 220.9,151.79 ; 220.9,151.79 J11.6
  BOTTOM w0.2: J11.44 221.09,159.39 221.1,159.4 ; 221.1,159.4 221.1,160.6 ; 221.1,159.4 221.1,158.63 arc(220.97,158.32) 220.66,158.19 J11.38 ; v1(221.4,164.3) 221.25,164.45 arc(221.1,164.55) 220.92,164.59 J11.70 ; 216.55,152.19 216.55,151.9 216.66,151.79 J11.5 ; 216.55,152.19 215.89,152.19 arc(215.71,152.15) 215.55,152.05 v1(215.55,151.95) ; 216.55,152.19 J11.7 ; J11.47 v1(215.9,160.19) 215.9,159.97 arc(215.93,159.81) 216.02,159.68 216.09,159.61 arc(216.21,159.43) 216.25,159.22 216.25,158.8 arc(216.43,158.37) 216.86,158.19 J11.37 ; J11.53 218.46,161.39 arc(218.67,161.47) 218.75,161.68 218.75,161.79 ; J11.50 221.09,160.59 221.1,160.6 ; v1(215.8,165.2) 215.8,164.68 arc(215.94,164.33) 216.29,164.19 J11.67 ; 221.1,160.6 221.1,161.3 v1(221.6,161.8) 221.21,161.8 221.2,161.79 J11.56 218.75,161.79 ; J11.18 v1(222.8,154.19) ; 218.75,161.79 218.75,161.9 arc(218.67,162.11) 218.46,162.19 J11.57 ; 216.58,153.39 216.54,153.39 216.36,153.21 arc(216.18,153.09) 215.98,153.05 213.98,153.05 arc(213.91,153.03) 213.84,152.99 213.8,152.95 arc(213.47,152.73) 213.08,152.65 v1(211.25,152.65) ; 216.58,153.39 J11.13 ; 216.58,153.39 216.58,153.57 arc(216.64,153.73) 216.8,153.79 J11.15
  BOTTOM w0.25: U69.2 207.4,161.74 arc(207.35,161.98) 207.22,162.18 207.18,162.22 arc(207.05,162.42) 207,162.66 C201.2
  BOTTOM w0.4: C202.2 208.79,156.5 arc(208.98,156.54) 209.15,156.65 v1(209.35,156.85) ; C201.2 v1(207,163.73)
